# Altium PCB Single_Amplifier(Filter)2.0.PcbDoc
Units mil, origin at the board's own origin, x right, y up, seen from the top; angles counter-clockwise.
Board outline 2028 x 1709 mil, 2 copper layers (Top Layer, Bottom Layer); 48 components, 21 nets, 159 pads, 118 vias.
Unrouted connection lines stored in the file: 26.
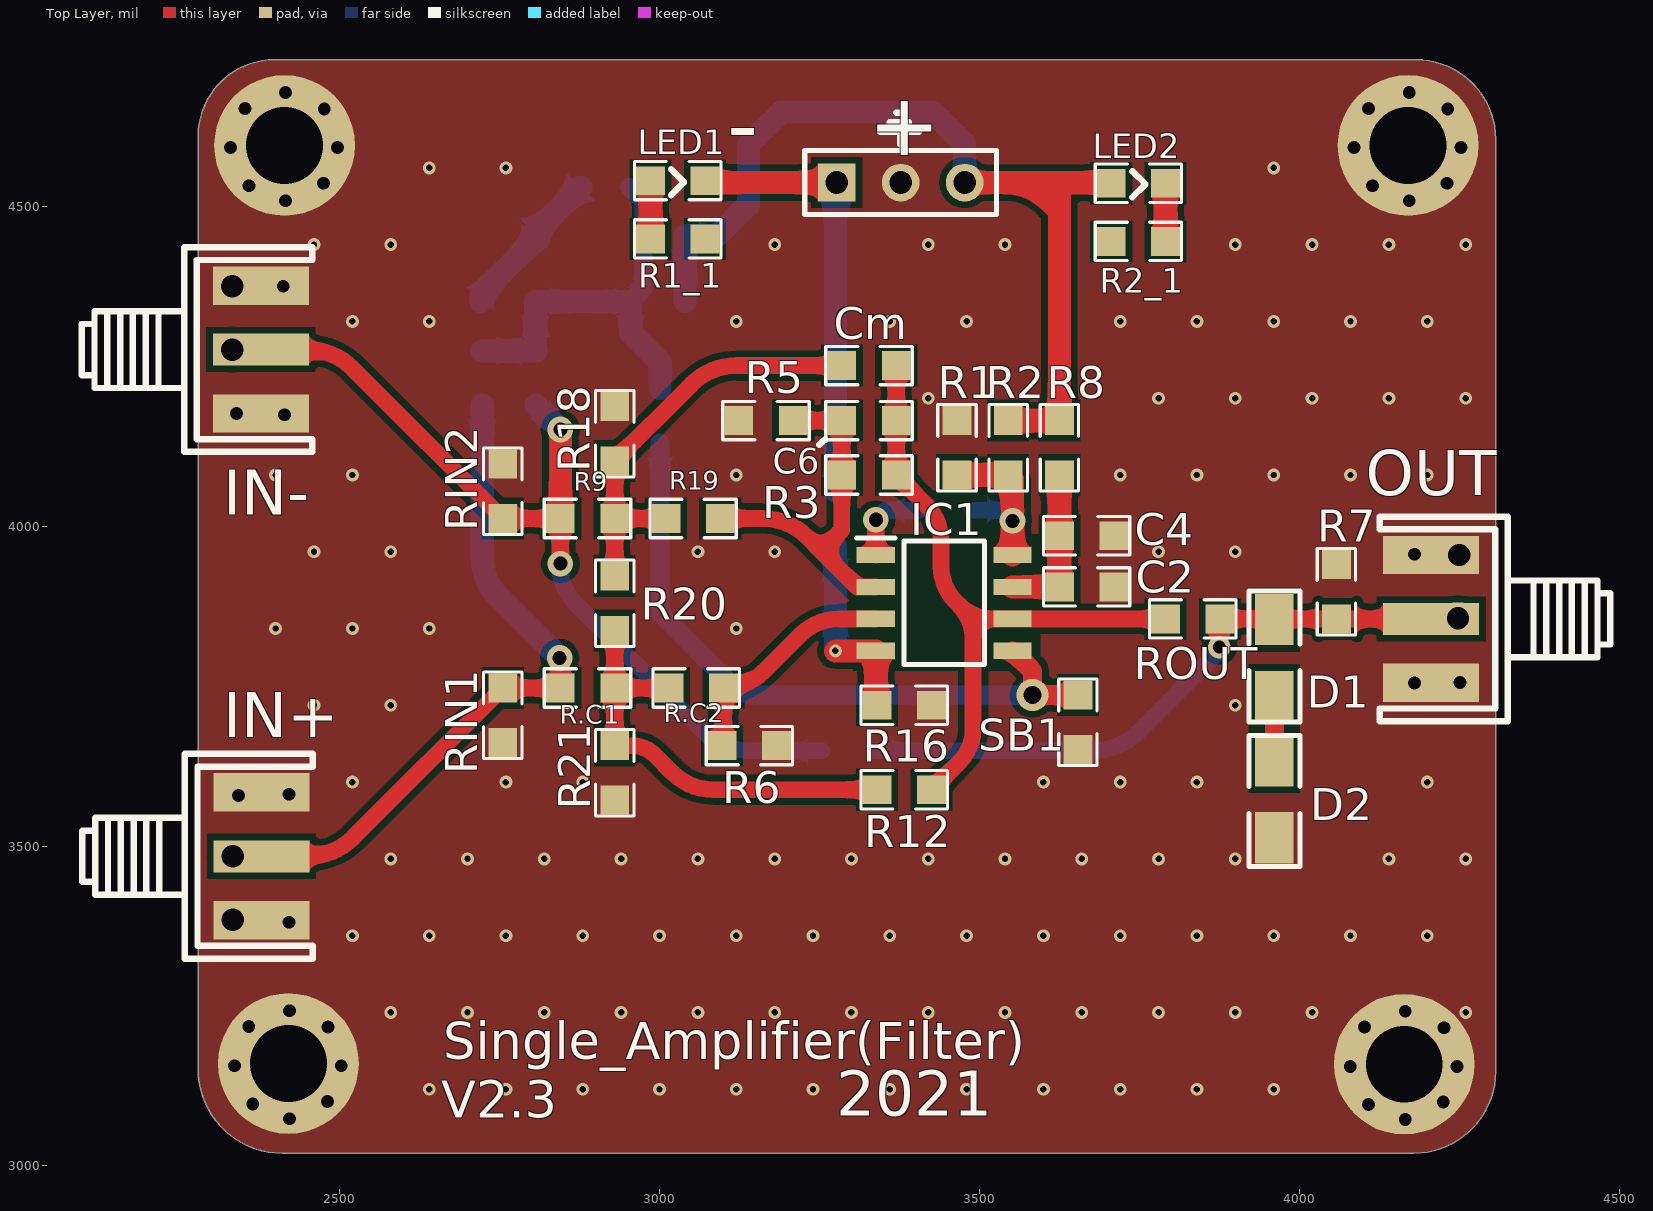
[diagram p0: Top Layer view]
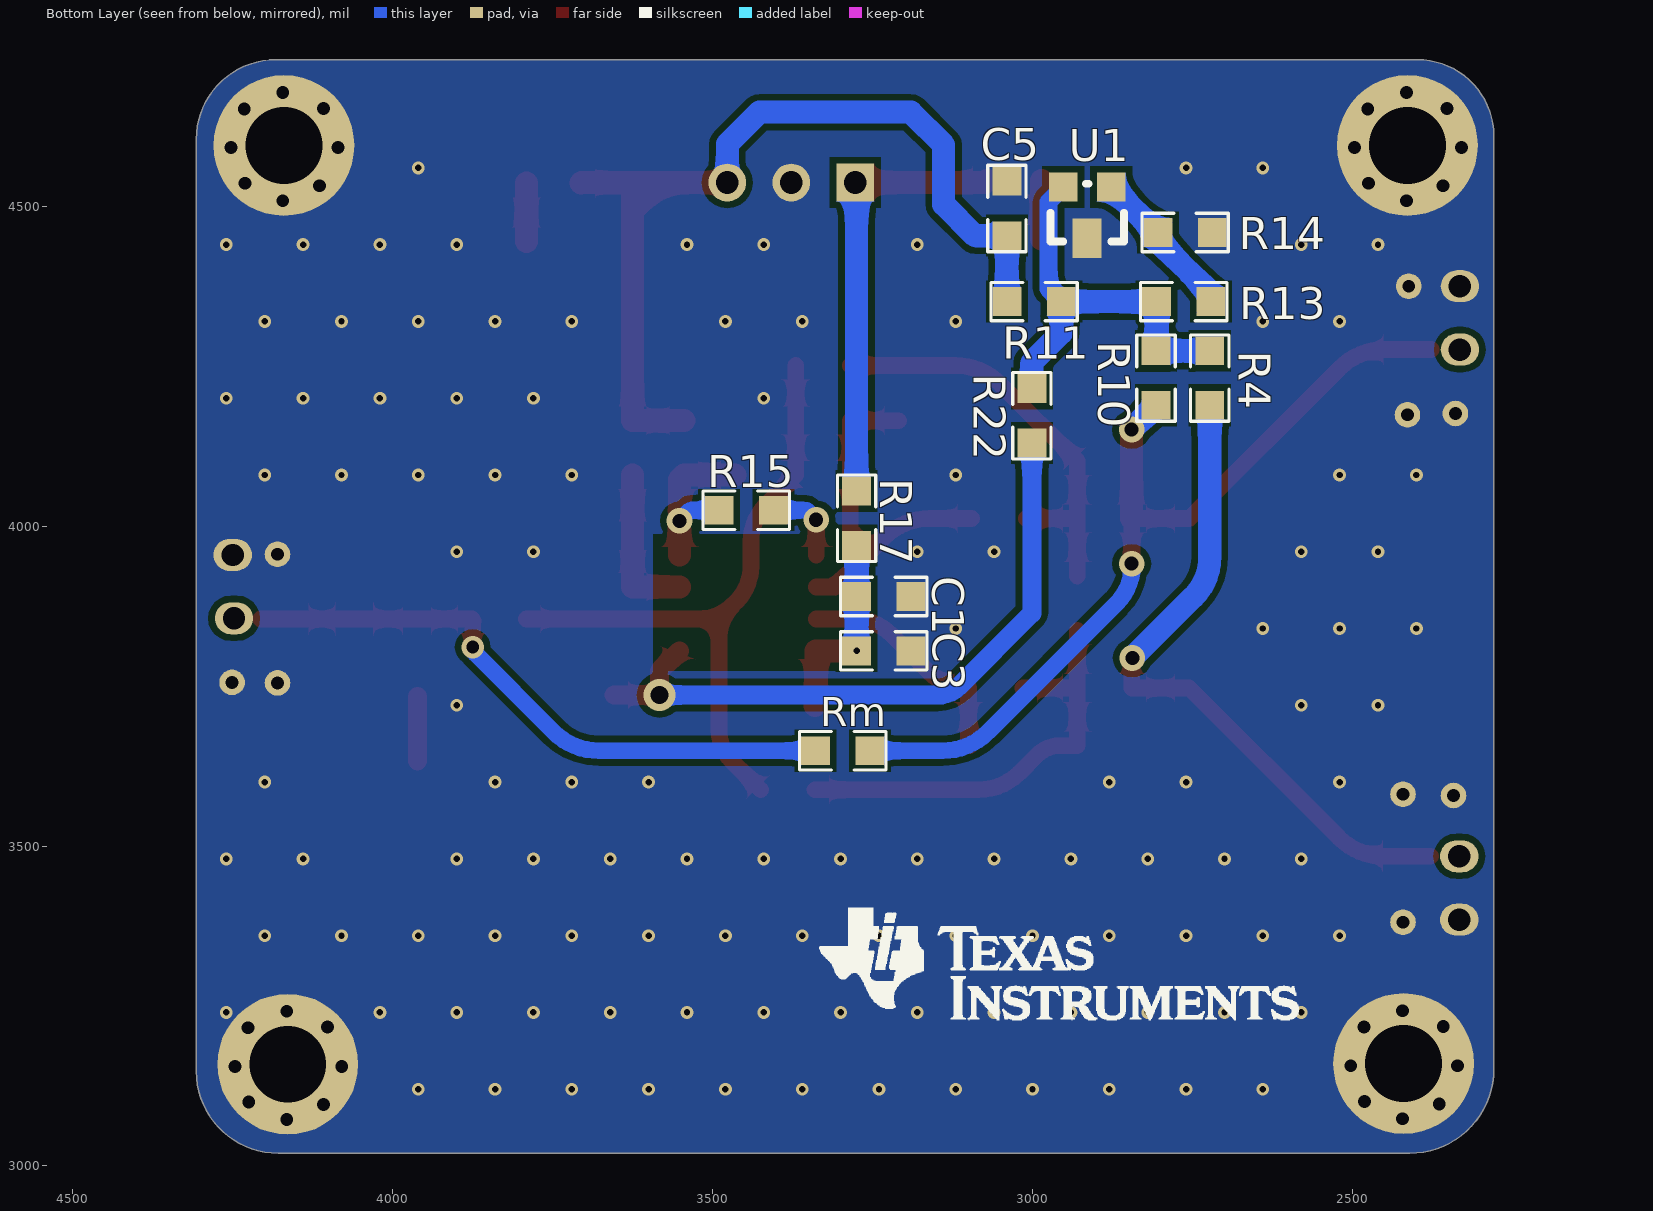
[diagram p1: Bottom Layer view, seen from below]

## Layer stack, top to bottom
Top Solder: solder mask 0.4, Solder Resist, Dk 3.5
Top Layer: signal copper 1.4
Dielectric 1: dielectric 12.6, FR-4, Dk 4.8
Bottom Layer: signal copper 1.4
Bottom Solder: solder mask 0.4, Solder Resist, Dk 3.5

## Board outline
2410.41,3020 cw(c2410.41,3151.41) 2279,3151.41 2279,4609.68 cw(c2398.32,4609.68) 2398.32,4729 4182.39,4729 cw(c4182.39,4604.39) 4307,4604.39 4307,3148.03 cw(c4178.97,3148.03) 4178.97,3020

## Design rules (kind name [scope] priority, off if disabled: settings)
Clearance [All] p1: gap=10 ignorepadtopadclearanceinfootprint=FALSE except(0: Arc-Hole Track-Hole SMDPad-Hole THPad-Hole Via-Hole Fill-Hole Poly-Hole Region-Hole Text-Hole; 20: Arc-Via Track-Via SMDPad-Via THPad-Via Via-Via)
PlaneConnect [All] p1: planeconnectstyle=Direct reliefexpansion=20 reliefentries=4 reliefconductorwidth=10 reliefairgap=10
PolygonConnect [All] p1: connectstyle=Direct reliefconductorwidth=10 reliefentries=4 polygonreliefangle="90 Angle" airgapwidth=10
RoutingVias [All] p1: holewidth=28 width=50 viastyle="Through Hole" minholewidth=28 minwidth=50 maxholewidth=28 maxwidth=50
SolderMaskExpansion [All] p1: expansion=4
Width [All] p1: maxlimit=55 minlimit=10 preferedwidth=10
29 further rules are at their usual default settings.

## Classes and differential pairs
component class Single_Amplifier(Filter)2.0: - C1 C2 C3 C4 C6 D1 D2 IC1 IN+ IN- OUT R1 R2 R3 R4 R5 R6 R7 R8 R9 R10 R11 R12 R13 R14 R15 R16 R17 R18 R19 R20 R21 R22 R31 R.C1 R.C2 RIN1 RIN2 ROUT SB1 U1

## Components (designator, comment, footprint, x,y, rotation, side; value= is the part's Value field where it differs from the comment)
"-    +" "Header 3" HDR1X3 3277,4537 r0 top (schematic designator P4)
C1 "10u" 0805D 3270,3890 r180 bottom
C2 "100n" 0805D 3630,3905 r0 top
C3 "100n" 0805D 3270,3805 r180 bottom
C4 "10u" 0805D 3630,3985 r0 top
C5 "Cap" 0805D 3040,4534 r270 bottom value=2.2u
C6 "12p" 0805D 3290,4165 r0 top
Cm "12p" 0805D 3290,4251 r0 top
D1 "Diode" 1206A 3961,3874 r270 top
D2 "Diode" 1206A 3961,3493 r90 top
IC1 "OPA695ID" SOIC127P600X175-8N 3445,3880 r0 top
IN+ "SMA" SMA1 2378,3584 r0 top
IN- "SMA" SMA1 2377,4376 r0 top (schematic designator IN-2)
LED1 "" 0805D 2991,4540 r0 top
LED2 "" 0805D 3711,4536 r0 top
OUT "SMA" SMA1 4206,3755 r180 top
R1 "Res3" 0805D 3465,4085 r90 top value=0
R1_1 "Res3" 0805D 3066,4449 r180 top value=1k (schematic designator R1)
R2 "Res3" 0805D 3545,4085 r90 top value=0
R2_1 "Res3" 0805D 3711,4445 r0 top value=1k (schematic designator R2)
R3 "Res3" 0805D 3365,4080 r180 top value=1k
R4 "Res3" 0805D 2723,4269 r270 bottom value=0
R5 "Res3" 0805D 3204,4165 r180 top value=0
R6 "Res3" 0805D 3178,3657 r180 top value=50
R7 "Res3" 0805D 4058,3935 r270 top value=50
R8 "Res3" 0805D 3625,4160 r270 top value=0
R9 "Res3" 0805D 2850,4012 r0 top value=1k
R10 "Res3" 0805D 2807,4269 r270 bottom value=0
R11 "Res3" 0805D 3035,4351 r180 bottom value=3K
R12 "Res3" 0805D 3420,3588 r180 top value=50
R13 "Res3" 0805D 2726,4351 r0 bottom value=3K
R14 "Res3" 0805D 2724,4459 r0 bottom value=3K
R15 "Res3" 0805D 3485,4025 r180 bottom value=1k
R16 "Res3" 0805D 3420,3720 r180 top value=0
R17 "Res3" 0805D 3275,4050 r270 bottom value=0
R18 "Res3" 0805D 2930,4182 r270 top value=50
R19 "Res3" 0805D 3015,4012 r0 top value=1k
R20 "Res3" 0805D 2930,3842 r90 top value=0
R21 "Res3" 0805D 2930,3577 r90 top value=50
R22 "Res3" 0805D 3001,4210 r270 bottom value=0
R.C1 "0" 0805D 2850,3747 r0 top
R.C2 "0" 0805D 3020,3747 r0 top
RIN1 "Res3" 0805D 2755,3667 r90 top value=50
RIN2 "Res3" 0805D 2755,4017 r90 top value=50
Rm "Res3" 0805D 3259,3649 r0 bottom value=1k
ROUT "Res3" 0805D 3871,3855 r180 top value=50
SB1 "Res3" 0805D 3654,3731 r270 top value=0
U1 "TL431_C963380" SOT-23 2877,4530 r0 bottom

## Footprints (in the part's own frame and the unit in brackets; to place one, negate y for a bottom-side part, rotate by r counter-clockwise, add the part's x,y. Pads: shape width x height; smd on the part's side, far side on the other; paste and mask are expansions set on the pad)
0805D [mil]
  rect 45x45 smd: 1(-5,0) 2(80,0)
  silkscreen extent -30,-30 105,30
1206A [mil]
  rect 80x60 smd: 1(20,0) 2(140,0)
  silkscreen extent -25,-40 180,40
HDR1X3 [mm] "Connector; Header; 3 Position"
  rect 1.5x1.5 hole 0.9: 1(0,0)
  round 1.5 hole 0.9: 2(2.54,0) 3(5.08,0)
  silkscreen extent -1.27,-1.27 6.35,1.27
SMA1 [mil]
  rect 150x50 smd: 1(0,-100)
  rect 150x60 smd: 2(0,-200) 2(0,0)
  silkscreen extent -280,-260 80,60
SOIC127P600X175-8N [mm]
  rect 1.525x0.65 smd: 1(-2.712,1.905) 2(-2.712,0.635) 3(-2.712,-0.635) 4(-2.712,-1.905) 5(2.712,-1.905) 6(2.712,-0.635) 7(2.712,0.635) 8(2.712,1.905)
  silkscreen extent -3.47,-2.45 1.6,2.58, body extent -3,-2.45 3,2.45, height 1.75
SOT-23 [mil]
  rect 45x45 smd: B(0,0) E(75,0)
  rect 45x62 smd: C(38,80)
  silkscreen extent -20,-5 95,85

## Part data
"-    +": "Header, 3-Pin", LatestRevisionDate=17-Jul-2002, LatestRevisionNote="Re-released for DXP Platform.", Publisher="Altium Limited"
C1 C2 C3 C4 C6 Cm: library part CAP_T
C5: "Capacitor", LatestRevisionDate=17-Jul-2002, LatestRevisionNote="Re-released for DXP Platform.", PackageDescription="Radial Cap, Thru-Hole; 2 Leads; 0.3 in Pin Spacing", PackageReference=RAD-0.3, Published=8-Jun-2000, Publisher="Altium Limited"
D1 D2: "Default Diode", Code_JEDEC=DO-214-AB, LatestRevisionDate=17-Jul-2002, LatestRevisionNote="Re-released for DXP Platform.", PackageDescription="DO-214-AB/SMC; 2 C-Bend Leads; Body 7.9 x 5.9 mm, inc. leads (LxW)", PackageReference=SMC, PackageVersion=Sep-1996, Published=8-Jun-2000, Publisher="Altium Limited"
IC1: "Integrated Circuit", Manufacturer_Name="Texas Instruments", Mouser Part Number=595-OPA695ID, Arrow Part Number=OPA695ID, Arrow Price/Stock=https://www.arrow.com/en/products/opa695id/texas-instruments, Datasheet Link=http://www.ti.com/lit/ds/symlink/opa695.pdf, Height=1.75mm, Manufacturer_Part_Number=OPA695ID, Mouser Price/Stock=https://www.mouser.co.uk/ProductDetail/Texas-Instruments/OPA695ID/?qs=wgAEGBTxy7n%252BTWPkkfsFRg%3D%3D
IN+ IN- OUT: library part BNC, "BNC Elbow Connector", LatestRevisionDate=17-Jul-2002, LatestRevisionNote="Re-released for DXP Platform.", Publisher="Altium Limited"
LED1 LED2: library part LED-SMD, "贴片LED"
R1 R1_1 R2 R2_1 R3 R4 R5 R6 R7 R8 R9 R10 R11 R12 R13 R14 R15 R16 R17 R18 R19 R20 R21 R22 RIN1 RIN2 Rm ROUT SB1: "Resistor", LatestRevisionDate=29-May-2009, LatestRevisionNote="IPC-7351 Footprint Added.", PackageDescription="Chip Resistor", PackageReference=J1-0603, Published=8-Jun-2000, Publisher="Altium Limited"
R.C1 R.C2: library part RES_T
U1: library part TL431, BOM_Manufacturer=JSMSEMI, BOM_Manufacturer Part=TL431, BOM_Supplier=LCSC, BOM_Supplier Part=C963380, Contributor=LCSC, spicePre=U, spiceSymbolName=TL431_C963380

## Free pads (board coordinates)
  round 220 hole 120: 0(2414,4595) 0(2420,3160) 0(4164,3159) 0(4170,4595)
  round 40 hole 20: 8(2329.67,4591.72) 8(2335.67,3156.72) 8(2339,4176.14) 8(2342,3579) 8(2352,4653) 8(2358,3218) 8(2358.31,4532) 8(2364.31,3097) 8(2412,4375) 8(2414,4174) 8(2415.67,4508.72) 8(2415.67,4677.72) 8(2421,3381) 8(2421,3581) 8(2421.67,3073.72) 8(2421.67,3242.72) 8(2475,4536) 8(2476,4652) 8(2481,3101) 8(2482,3217) 8(2496.56,4591.72) 8(2502.56,3156.72) 8(4079.67,3155.72) 8(4085.67,4591.72) 8(4102,3217) 8(4108,4653) 8(4108.31,3096) 8(4114.31,4532) 8(4165.67,3072.72) 8(4165.67,3241.72) 8(4171.67,4508.72) 8(4171.67,4677.72) 8(4180,3755) 8(4180,3956) 8(4225,3100) 8(4226,3216) 8(4231,4536) 8(4232,4652) 8(4246.56,3155.72) 8(4251,3755.8) 8(4252.56,4591.72)
  oval 60x50 hole 35: 9(2332,4276) 9(2332,4375) 9(2333,3385) 9(2333,3484) 9(4248,3856) 9(4250,3955)
  round 20 hole 10: 9(3275,3805)

## Via types
v1: diameter 20, hole 10, Top Layer to Bottom Layer, 111 vias
v2: diameter 40, hole 22, Top Layer to Bottom Layer, 5 vias
v3: diameter 35, hole 20, Top Layer to Bottom Layer, 1 vias
v4: diameter 50, hole 28, Top Layer to Bottom Layer, 1 vias

## Nets (pads, with @x,y where several pads share a name; then routed paths per layer and width w, separated by ;. In a path a pad name is that pad's centre, name@x,y a point inside that pad or via, vN(x,y) a via of type N, cw(c..) or ccw(c..) an arc to the next point about the centre after c; other vN are vias at no path point)
GND: "-    +.2" C1.2 C2.2 C3.2 C4.2 C5.1 D2.1 IN+.2 IN-.2 OUT.2 pad.0 pad.8 pad.9@2332,4375 pad.9@2333,3385 pad.9@4250,3955 R1.2 R5.2 R6.1 R7.1 R14.1 R16.1 R18.1 R21.1 RIN1.1 RIN2.2 SB1.2 U1.C
  other v1: 2640,3120 2760,3120 2880,3120 3000,3120 3120,3120 3240,3120 3360,3120 3480,3120 3600,3120 3720,3120 3840,3120 3960,3120 2580,3240 2700,3240 2820,3240 2940,3240 3060,3240 3180,3240 3300,3240 3420,3240 3540,3240 3660,3240 3780,3240 3900,3240 4020,3240 4260,3240 2520,3360 2640,3360 2760,3360 2880,3360 3000,3360 3120,3360 3240,3360 3360,3360 3480,3360 3600,3360 3720,3360 3840,3360 3960,3360 4080,3360 4200,3360 2580,3480 2700,3480 2820,3480 2940,3480 3060,3480 3180,3480 3300,3480 3420,3480 3540,3480 3660,3480 3780,3480 3900,3480 4140,3480 4260,3480 2520,3600 2760,3600 2880,3600 3600,3600 3720,3600 3840,3600 4200,3600 2460,3720 2580,3720 3900,3720 2400,3840 2520,3840 2640,3840 3120,3840 2460,3960 2580,3960 3060,3960 3180,3960 3780,3960 3900,3960 2400,4080 2520,4080 3120,4080 3720,4080 3840,4080 3960,4080 4080,4080 4200,4080 3420,4200 3780,4200 3900,4200 4020,4200 4140,4200 4260,4200 2520,4320 2640,4320 3120,4320 3360,4320 3480,4320 3720,4320 3840,4320 3960,4320 4080,4320 4200,4320 2460,4440 2580,4440 3180,4440 3420,4440 3540,4440 3900,4440 4020,4440 4140,4440 4260,4440 2640,4560 2760,4560 3960,4560
LED1: LED1.1 R1_1.2 | length 91
  Top Layer w36: R1_1.2 LED1.1
LED2: LED2.2 R2_1.2 | length 91
  Top Layer w36: R2_1.2 LED2.2
NetC6_1: C6.1 IC1.2 R3.2 R5.1 R19.2 | length 576.3
  Top Layer w26: R19.2 3160.58,4012 cw(c3160.58,3912) 3231.29,3982.71 3253.3,3960.7 ; R5.1 C6.1 R3.2 3285,3993.88 3253.3,3960.7 ; IC1.2 3309,3905 3253.3,3960.7
NetD1_2: D1.2 D2.2 | length 101
  Top Layer w30: D2.2 D1.2
NetIC1_1: IC1.1 R15.2 | length 128
  Top Layer w26: IC1.1 v2(3338.23,4010)
  Bottom Layer w26: v2(3338.23,4010) 3353.23,4025 R15.2
NetIC1_3: IC1.3 R6.2 R.C2.2 | length 366.3
  Top Layer w26: R6.2 3100,3659 R.C2.2 3100.23,3747 ccw(c3100.23,3835.77) 3163,3773 3220.25,3830.25 ; 3220.28,3830.28 cw(c3280,3770.5) 3280,3855 IC1.3
NetIC1_8: IC1.8 R1.1 R2.1 R15.1 | length 276.5
  Top Layer w36: R1.1 R2.1 3551.77,4073.23 v2(3551.77,4008.23) IC1.8
  Bottom Layer w26: R15.1 3535,4025 v2(3551.77,4008.23)
NetOUT_1: D1.1 OUT.1 pad.9@4248,3856 R7.2 Rm.2 ROUT.1 | length 976.4
  Top Layer w26: v3(3875,3811) 3875,3850.59 3874.41,3851.17 cw(c3879.83,3851.17) ROUT.1 OUT.1
  Bottom Layer w26: Rm.2 3677.58,3649 ccw(c3677.58,3749) 3748.29,3678.29 3870.76,3800.76 ccw(c3860.51,3811) v3(3875,3811)
NetR4_1: R4.1 R10.1 R11.2 R13.2 R22.1 U1.E | length 662.3
  Bottom Layer w28: U1.E 2975,4507 2975,4371 R11.2
  Bottom Layer w36: R4.1 R10.1 2806,4275 R13.2 R11.2 2955,4302 3001,4256 R22.1
NetR9_2: Cm.1 R9.2 R18.2 R19.1 R20.2 | length 672.4
  Top Layer w26: R20.2 R9.2 ; R19.1 R9.2 ; Cm.1 3120.42,4251 ccw(c3120.42,4151) 3049.71,4221.71 R18.2 R9.2
NetR12_2: R12.2 R20.1 R21.2 R.C1.2 R.C2.1 | length 697.5
  Top Layer w26: R20.1 R.C1.2 ; R.C2.1 R.C1.2 ; R12.2 3084.48,3588 cw(c3084.48,3678.48) 3020.5,3614.5 2993,3642 ccw(c2956.79,3605.79) 2956.79,3657 R21.2 R.C1.2
NetR13_1: R13.1 R14.2 U1.B | length 244.8
  Bottom Layer w36: R13.1 2721,4363 2804,4446 R14.2 2806,4459 U1.B
out: C6.2 Cm.2 IC1.6 R3.1 R12.1 ROUT.2 | length 1030.9
  Top Layer w26: Cm.2 C6.2 R3.1 3416.5,4033.5 cw(c3359.77,3976.77) 3440,3976.77 3440,3937.53 ccw(c3518.53,3937.53) 3462.98,3882.02 3490,3855 ; R12.1 3470.2,3633.2 ccw(c3422.4,3681) 3490,3681 3490,3855 ; ROUT.2 IC1.6 3490,3855
P1: IN-.1 pad.9@2332,4276 R9.1 R10.2 RIN2.1 Rm.1 | length 1381.7
  Top Layer w26: IN-.1 2449.58,4276 cw(c2449.58,4176) 2520.29,4246.71 RIN2.1 R9.1 v2(2845,3941.41)
  Top Layer w36: R9.1 v2(2845,4151)
  Bottom Layer w26: v2(2845,3941.41) cw(c2841.59,3941.41) 2844,3939 ccw(c2928.5,3939) 2868.75,3879.25 3069.71,3678.29 ccw(c3140.42,3749) 3140.42,3649 Rm.1
  Bottom Layer w36: R10.2 v2(2845,4151)
P2: IN+.1 pad.9@2333,3484 R4.2 R.C1.1 RIN1.2 | length 1060.3
  Top Layer w26: IN+.1 2450.58,3484 ccw(c2450.58,3584) 2521.29,3513.29 RIN1.2 R.C1.1 2845,3791.59 ccw(c2841.59,3791.59) v2(2844,3794)
  Bottom Layer w36: R4.2 2723,3951 ccw(c2809.91,3951) 2748.46,3889.54 v2(2844,3794)
P3: IC1.5 R22.2 SB1.1 | length 1051.9
  Top Layer w30: IC1.5 3583,3773.77 v4(3583,3736) SB1.1
  Bottom Layer w30: R22.2 3001,3864 3115,3750 ccw(c3148.8,3783.8) 3148.8,3736 v4(3583,3736)
V+: "-    +.3" C5.2 LED2.1 R2.2 R8.1 R11.1 | length 1454.8
  Top Layer w36: 3477,4537 3581,4537 ; R2.2 R8.1 3625,4493 3581,4537 ; LED2.1 3705,4537 3581,4537
  Bottom Layer w36: R11.1 C5.2 3090,4454 3139,4503 3139,4596 3190,4647 3427,4647 3477,4597 3477,4537
V-: "-    +.1" LED1.2 R17.1 | length 690.1
  Top Layer w36: LED1.2 3074,4537 3277,4537
  Bottom Layer w36: R17.1 3275,4535 3277,4537
VS+: C2.1 C4.1 IC1.7 R8.2 | length 248.2
  Top Layer w36: IC1.7 C2.1 C4.1 R8.2
VS-: C1.1 C3.1 IC1.4 pad.9@3275,3805 R16.2 R17.2 | length 314
  Top Layer w36: pad.9@3275,3805 IC1.4 3338.23,3721.77 R16.2
  Bottom Layer w36: C3.1 C1.1 R17.2
pads on no net: R1_1.1 R2_1.1

## Polygon pours and split planes (outlines as drawn)
GND on Top Layer "GND_L01_P025" (solid, remove dead copper, pour order 25): 2410.41,3020 cw(c2410.41,3151.41) 2279,3151.41 2279,4609.68 cw(c2398.32,4609.68) 2398.32,4729 4182.39,4729 cw(c4182.39,4604.39) 4307,4604.39 4307,3148.03 cw(c4178.97,3148.03) 4178.97,3020
GND on Bottom Layer "GND_L02_P026" (solid, remove dead copper, pour order 26): 2410.41,3020 cw(c2410.41,3151.41) 2279,3151.41 2279,4609.68 cw(c2398.32,4609.68) 2398.32,4729 4182.39,4729 cw(c4182.39,4604.39) 4307,4604.39 4307,3148.03 cw(c4178.97,3148.03) 4178.97,3020

## Other copper
Top Layer:
  rectangle net V+: 3601,4491 3643,4536
  pour cut-out: 3303,3987 3595.24,3987 3595.24,3773.77 3303,3773.77
Bottom Layer:
  pour cut-out: 3303,3987 3593,3987 3593,3773.77 3303,3773.77

## Silkscreen, mask and mechanical layers (free items; w line width, h text height)
Top Overlay:
  lines w10: 3018,4517 3038,4537 ; 3018,4558 3038,4538 ; 3250,4127 3258,4135 3260,4135 ; 3345,4616 3405,4616 ; 3360,4631 3390,4631 ; 3370,4646 3380,4646 ; 3375,4616 cw(c3375,4615) 3376,4615 3376,4597 ; 3739,4514 3759,4534 ; 3739,4555 3759,4535
  text "Single_Amplifier(Filter)" at 2662,3147 h100
  text "V2.3" at 2659,3056 h100
  text "2021" at 3276,3055 h120
Bottom Overlay:
  drawing of 1767 lines, arcs and shapes, not listed
Top Solder:
  drawing of 985 lines, arcs and shapes, not listed
  text "这里是供电" at 3216,4657 h80
Bottom Solder:
  text "Designed By" at 3129,3161 h80
  text "NoFelReg" at 3125,3078 h80
Mechanical 1:
  the board outline again, w10